# Altium PCB FlatSat.PcbDoc (part 4 of 12)
Units mil, origin at the board's own origin, x right, y up, seen from the top; angles counter-clockwise.
Board outline 4682 x 22047 mil, 4 copper layers (Top Layer, STR GND 1, STR GND 2, Bottom Layer), stack 33.434 mil thick; 381 components, 345 nets, 1605 pads, 1915 vias.
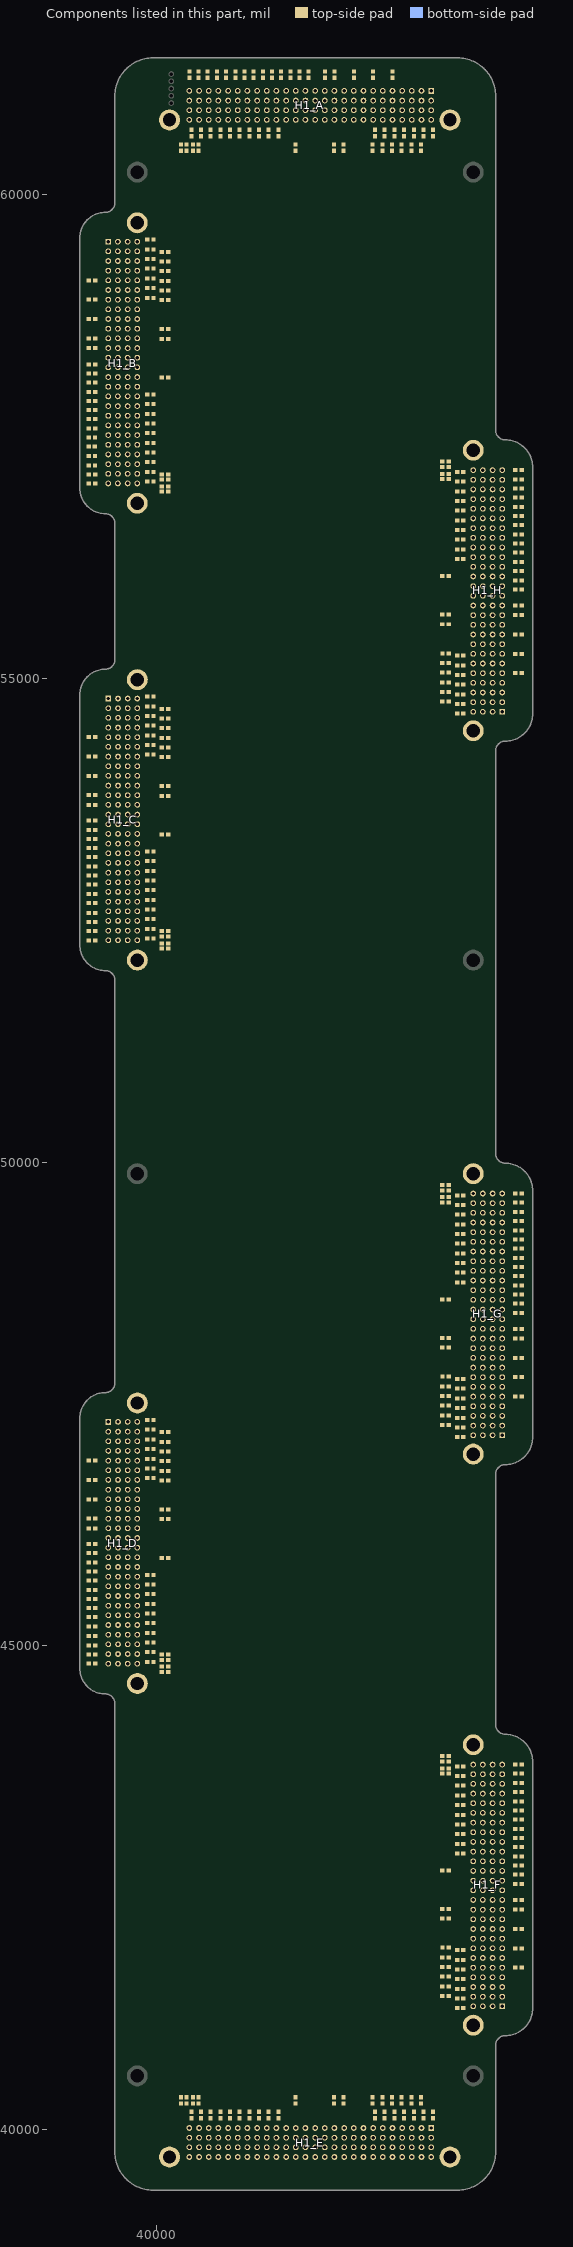
[diagram p6: the components of this part, seen from the top]

## Design rules (kind name [scope] priority, off if disabled: settings) (continued)
Width "Schematic Width Constraint_566" [InNet('GPIO_RESERVE_8')] p522: maxlimit=10 minlimit=8 preferedwidth=8
Width "Schematic Width Constraint_565" [InNet('GPIO_RESERVE_8')] p523: maxlimit=10 minlimit=8 preferedwidth=8
Width "Schematic Width Constraint_564" [InNet('GPIO_RESERVE_8')] p524: maxlimit=10 minlimit=8 preferedwidth=8
Width "Schematic Width Constraint_563" [InNet('GPIO_RESERVE_8')] p525: maxlimit=10 minlimit=8 preferedwidth=8
Width "Schematic Width Constraint_562" [InNet('GPIO_RESERVE_8')] p526: maxlimit=10 minlimit=8 preferedwidth=8
Width "Schematic Width Constraint_561" [InNet('GPIO_RESERVE_8')] p527: maxlimit=10 minlimit=8 preferedwidth=8
Width "Schematic Width Constraint_560" [InNet('GPIO_RESERVE_8')] p528: maxlimit=10 minlimit=8 preferedwidth=8
Width "Schematic Width Constraint_559" [InNet('GPIO_RESERVE_8')] p529: maxlimit=10 minlimit=8 preferedwidth=8
Width "Schematic Width Constraint_558" [InNet('GPIO_RESERVE_7')] p530: maxlimit=10 minlimit=8 preferedwidth=8
Width "Schematic Width Constraint_557" [InNet('GPIO_RESERVE_7')] p531: maxlimit=10 minlimit=8 preferedwidth=8
Width "Schematic Width Constraint_556" [InNet('GPIO_RESERVE_7')] p532: maxlimit=10 minlimit=8 preferedwidth=8
Width "Schematic Width Constraint_555" [InNet('GPIO_RESERVE_7')] p533: maxlimit=10 minlimit=8 preferedwidth=8
Width "Schematic Width Constraint_554" [InNet('GPIO_RESERVE_7')] p534: maxlimit=10 minlimit=8 preferedwidth=8
Width "Schematic Width Constraint_553" [InNet('GPIO_RESERVE_7')] p535: maxlimit=10 minlimit=8 preferedwidth=8
Width "Schematic Width Constraint_552" [InNet('GPIO_RESERVE_7')] p536: maxlimit=10 minlimit=8 preferedwidth=8
Width "Schematic Width Constraint_551" [InNet('GPIO_RESERVE_7')] p537: maxlimit=10 minlimit=8 preferedwidth=8
Width "Schematic Width Constraint_550" [InNet('GPIO_RESERVE_6')] p538: maxlimit=10 minlimit=8 preferedwidth=8
Width "Schematic Width Constraint_549" [InNet('GPIO_RESERVE_6')] p539: maxlimit=10 minlimit=8 preferedwidth=8
Width "Schematic Width Constraint_548" [InNet('GPIO_RESERVE_6')] p540: maxlimit=10 minlimit=8 preferedwidth=8
Width "Schematic Width Constraint_547" [InNet('GPIO_RESERVE_6')] p541: maxlimit=10 minlimit=8 preferedwidth=8
Width "Schematic Width Constraint_546" [InNet('GPIO_RESERVE_6')] p542: maxlimit=10 minlimit=8 preferedwidth=8
Width "Schematic Width Constraint_545" [InNet('GPIO_RESERVE_6')] p543: maxlimit=10 minlimit=8 preferedwidth=8
Width "Schematic Width Constraint_544" [InNet('GPIO_RESERVE_6')] p544: maxlimit=10 minlimit=8 preferedwidth=8
Width "Schematic Width Constraint_543" [InNet('GPIO_RESERVE_6')] p545: maxlimit=10 minlimit=8 preferedwidth=8
Width "Schematic Width Constraint_542" [InNet('GPIO_RESERVE_5')] p546: maxlimit=10 minlimit=8 preferedwidth=8
Width "Schematic Width Constraint_541" [InNet('GPIO_RESERVE_5')] p547: maxlimit=10 minlimit=8 preferedwidth=8
Width "Schematic Width Constraint_540" [InNet('GPIO_RESERVE_5')] p548: maxlimit=10 minlimit=8 preferedwidth=8
Width "Schematic Width Constraint_539" [InNet('GPIO_RESERVE_5')] p549: maxlimit=10 minlimit=8 preferedwidth=8
Width "Schematic Width Constraint_538" [InNet('GPIO_RESERVE_5')] p550: maxlimit=10 minlimit=8 preferedwidth=8
Width "Schematic Width Constraint_537" [InNet('GPIO_RESERVE_5')] p551: maxlimit=10 minlimit=8 preferedwidth=8
Width "Schematic Width Constraint_536" [InNet('GPIO_RESERVE_5')] p552: maxlimit=10 minlimit=8 preferedwidth=8
Width "Schematic Width Constraint_535" [InNet('GPIO_RESERVE_5')] p553: maxlimit=10 minlimit=8 preferedwidth=8
Width "Schematic Width Constraint_534" [InNet('GPIO_RESERVE_4')] p554: maxlimit=10 minlimit=8 preferedwidth=8
Width "Schematic Width Constraint_533" [InNet('GPIO_RESERVE_4')] p555: maxlimit=10 minlimit=8 preferedwidth=8
Width "Schematic Width Constraint_532" [InNet('GPIO_RESERVE_4')] p556: maxlimit=10 minlimit=8 preferedwidth=8
Width "Schematic Width Constraint_531" [InNet('GPIO_RESERVE_4')] p557: maxlimit=10 minlimit=8 preferedwidth=8
Width "Schematic Width Constraint_530" [InNet('GPIO_RESERVE_4')] p558: maxlimit=10 minlimit=8 preferedwidth=8
Width "Schematic Width Constraint_529" [InNet('GPIO_RESERVE_4')] p559: maxlimit=10 minlimit=8 preferedwidth=8
Width "Schematic Width Constraint_528" [InNet('GPIO_RESERVE_4')] p560: maxlimit=10 minlimit=8 preferedwidth=8
Width "Schematic Width Constraint_527" [InNet('GPIO_RESERVE_4')] p561: maxlimit=10 minlimit=8 preferedwidth=8
Width "Schematic Width Constraint_526" [InNet('GPIO_RESERVE_3')] p562: maxlimit=10 minlimit=8 preferedwidth=8
Width "Schematic Width Constraint_525" [InNet('GPIO_RESERVE_3')] p563: maxlimit=10 minlimit=8 preferedwidth=8
Width "Schematic Width Constraint_524" [InNet('GPIO_RESERVE_3')] p564: maxlimit=10 minlimit=8 preferedwidth=8
Width "Schematic Width Constraint_523" [InNet('GPIO_RESERVE_3')] p565: maxlimit=10 minlimit=8 preferedwidth=8
Width "Schematic Width Constraint_522" [InNet('GPIO_RESERVE_3')] p566: maxlimit=10 minlimit=8 preferedwidth=8
Width "Schematic Width Constraint_521" [InNet('GPIO_RESERVE_3')] p567: maxlimit=10 minlimit=8 preferedwidth=8
Width "Schematic Width Constraint_520" [InNet('GPIO_RESERVE_3')] p568: maxlimit=10 minlimit=8 preferedwidth=8
Width "Schematic Width Constraint_519" [InNet('GPIO_RESERVE_3')] p569: maxlimit=10 minlimit=8 preferedwidth=8
Width "Schematic Width Constraint_518" [InNet('GPIO_RESERVE_2')] p570: maxlimit=10 minlimit=8 preferedwidth=8
Width "Schematic Width Constraint_517" [InNet('GPIO_RESERVE_2')] p571: maxlimit=10 minlimit=8 preferedwidth=8
Width "Schematic Width Constraint_516" [InNet('GPIO_RESERVE_2')] p572: maxlimit=10 minlimit=8 preferedwidth=8
Width "Schematic Width Constraint_515" [InNet('GPIO_RESERVE_2')] p573: maxlimit=10 minlimit=8 preferedwidth=8
Width "Schematic Width Constraint_514" [InNet('GPIO_RESERVE_2')] p574: maxlimit=10 minlimit=8 preferedwidth=8
Width "Schematic Width Constraint_513" [InNet('GPIO_RESERVE_2')] p575: maxlimit=10 minlimit=8 preferedwidth=8
Width "Schematic Width Constraint_512" [InNet('GPIO_RESERVE_2')] p576: maxlimit=10 minlimit=8 preferedwidth=8
Width "Schematic Width Constraint_511" [InNet('GPIO_RESERVE_2')] p577: maxlimit=10 minlimit=8 preferedwidth=8
Width "Schematic Width Constraint_510" [InNet('GPIO_RESERVE_1')] p578: maxlimit=10 minlimit=8 preferedwidth=8
Width "Schematic Width Constraint_509" [InNet('GPIO_RESERVE_1')] p579: maxlimit=10 minlimit=8 preferedwidth=8
Width "Schematic Width Constraint_508" [InNet('GPIO_RESERVE_1')] p580: maxlimit=10 minlimit=8 preferedwidth=8
Width "Schematic Width Constraint_507" [InNet('GPIO_RESERVE_1')] p581: maxlimit=10 minlimit=8 preferedwidth=8
Width "Schematic Width Constraint_506" [InNet('GPIO_RESERVE_1')] p582: maxlimit=10 minlimit=8 preferedwidth=8
Width "Schematic Width Constraint_505" [InNet('GPIO_RESERVE_1')] p583: maxlimit=10 minlimit=8 preferedwidth=8
Width "Schematic Width Constraint_504" [InNet('GPIO_RESERVE_1')] p584: maxlimit=10 minlimit=8 preferedwidth=8
Width "Schematic Width Constraint_503" [InNet('GPIO_RESERVE_1')] p585: maxlimit=10 minlimit=8 preferedwidth=8
Width "Schematic Width Constraint_502" [InNet('GPIO_ADCS_2')] p586: maxlimit=10 minlimit=8 preferedwidth=8
Width "Schematic Width Constraint_501" [InNet('GPIO_ADCS_2')] p587: maxlimit=10 minlimit=8 preferedwidth=8
Width "Schematic Width Constraint_500" [InNet('GPIO_ADCS_2')] p588: maxlimit=10 minlimit=8 preferedwidth=8
Width "Schematic Width Constraint_499" [InNet('GPIO_ADCS_2')] p589: maxlimit=10 minlimit=8 preferedwidth=8
Width "Schematic Width Constraint_498" [InNet('GPIO_ADCS_2')] p590: maxlimit=10 minlimit=8 preferedwidth=8
Width "Schematic Width Constraint_497" [InNet('GPIO_ADCS_2')] p591: maxlimit=10 minlimit=8 preferedwidth=8
Width "Schematic Width Constraint_496" [InNet('GPIO_ADCS_2')] p592: maxlimit=10 minlimit=8 preferedwidth=8
Width "Schematic Width Constraint_495" [InNet('GPIO_ADCS_2')] p593: maxlimit=10 minlimit=8 preferedwidth=8
Width "Schematic Width Constraint_494" [InNet('GPIO_ADCS_1')] p594: maxlimit=10 minlimit=8 preferedwidth=8
Width "Schematic Width Constraint_493" [InNet('GPIO_ADCS_1')] p595: maxlimit=10 minlimit=8 preferedwidth=8
Width "Schematic Width Constraint_492" [InNet('GPIO_ADCS_1')] p596: maxlimit=10 minlimit=8 preferedwidth=8
Width "Schematic Width Constraint_491" [InNet('GPIO_ADCS_1')] p597: maxlimit=10 minlimit=8 preferedwidth=8
Width "Schematic Width Constraint_490" [InNet('GPIO_ADCS_1')] p598: maxlimit=10 minlimit=8 preferedwidth=8
Width "Schematic Width Constraint_489" [InNet('GPIO_ADCS_1')] p599: maxlimit=10 minlimit=8 preferedwidth=8
Width "Schematic Width Constraint_488" [InNet('GPIO_ADCS_1')] p600: maxlimit=10 minlimit=8 preferedwidth=8
Width "Schematic Width Constraint_487" [InNet('GPIO_ADCS_1')] p601: maxlimit=10 minlimit=8 preferedwidth=8
Width "Schematic Width Constraint_486" [InNet('GND_8')] p602: maxlimit=10 minlimit=8 preferedwidth=8
Width "Schematic Width Constraint_485" [InNet('GND_8')] p603: maxlimit=10 minlimit=8 preferedwidth=8
Width "Schematic Width Constraint_484" [InNet('GND_8')] p604: maxlimit=10 minlimit=8 preferedwidth=8
Width "Schematic Width Constraint_483" [InNet('GND_8')] p605: maxlimit=10 minlimit=8 preferedwidth=8
Width "Schematic Width Constraint_482" [InNet('GND_8')] p606: maxlimit=10 minlimit=8 preferedwidth=8
Width "Schematic Width Constraint_481" [InNet('GND_8')] p607: maxlimit=10 minlimit=8 preferedwidth=8
Width "Schematic Width Constraint_480" [InNet('GND_8')] p608: maxlimit=10 minlimit=8 preferedwidth=8
Width "Schematic Width Constraint_479" [InNet('GND_8')] p609: maxlimit=10 minlimit=8 preferedwidth=8
Width "Schematic Width Constraint_478" [InNet('GND_7')] p610: maxlimit=10 minlimit=8 preferedwidth=8
Width "Schematic Width Constraint_477" [InNet('GND_7')] p611: maxlimit=10 minlimit=8 preferedwidth=8
Width "Schematic Width Constraint_476" [InNet('GND_7')] p612: maxlimit=10 minlimit=8 preferedwidth=8
Width "Schematic Width Constraint_475" [InNet('GND_7')] p613: maxlimit=10 minlimit=8 preferedwidth=8
Width "Schematic Width Constraint_474" [InNet('GND_7')] p614: maxlimit=10 minlimit=8 preferedwidth=8
Width "Schematic Width Constraint_473" [InNet('GND_7')] p615: maxlimit=10 minlimit=8 preferedwidth=8
Width "Schematic Width Constraint_472" [InNet('GND_7')] p616: maxlimit=10 minlimit=8 preferedwidth=8
Width "Schematic Width Constraint_471" [InNet('GND_7')] p617: maxlimit=10 minlimit=8 preferedwidth=8
Width "Schematic Width Constraint_470" [InNet('GND_6')] p618: maxlimit=10 minlimit=8 preferedwidth=8
Width "Schematic Width Constraint_469" [InNet('GND_6')] p619: maxlimit=10 minlimit=8 preferedwidth=8
Width "Schematic Width Constraint_468" [InNet('GND_6')] p620: maxlimit=10 minlimit=8 preferedwidth=8
Width "Schematic Width Constraint_467" [InNet('GND_6')] p621: maxlimit=10 minlimit=8 preferedwidth=8
Width "Schematic Width Constraint_466" [InNet('GND_6')] p622: maxlimit=10 minlimit=8 preferedwidth=8
Width "Schematic Width Constraint_465" [InNet('GND_6')] p623: maxlimit=10 minlimit=8 preferedwidth=8
Width "Schematic Width Constraint_464" [InNet('GND_6')] p624: maxlimit=10 minlimit=8 preferedwidth=8
Width "Schematic Width Constraint_463" [InNet('GND_6')] p625: maxlimit=10 minlimit=8 preferedwidth=8
Width "Schematic Width Constraint_462" [InNet('GND_5')] p626: maxlimit=10 minlimit=8 preferedwidth=8
Width "Schematic Width Constraint_461" [InNet('GND_5')] p627: maxlimit=10 minlimit=8 preferedwidth=8
Width "Schematic Width Constraint_460" [InNet('GND_5')] p628: maxlimit=10 minlimit=8 preferedwidth=8
Width "Schematic Width Constraint_459" [InNet('GND_5')] p629: maxlimit=10 minlimit=8 preferedwidth=8
Width "Schematic Width Constraint_458" [InNet('GND_5')] p630: maxlimit=10 minlimit=8 preferedwidth=8
Width "Schematic Width Constraint_457" [InNet('GND_5')] p631: maxlimit=10 minlimit=8 preferedwidth=8
Width "Schematic Width Constraint_456" [InNet('GND_5')] p632: maxlimit=10 minlimit=8 preferedwidth=8
Width "Schematic Width Constraint_455" [InNet('GND_5')] p633: maxlimit=10 minlimit=8 preferedwidth=8
Width "Schematic Width Constraint_454" [InNet('GND_4')] p634: maxlimit=10 minlimit=8 preferedwidth=8
Width "Schematic Width Constraint_453" [InNet('GND_4')] p635: maxlimit=10 minlimit=8 preferedwidth=8
Width "Schematic Width Constraint_452" [InNet('GND_4')] p636: maxlimit=10 minlimit=8 preferedwidth=8
Width "Schematic Width Constraint_451" [InNet('GND_4')] p637: maxlimit=10 minlimit=8 preferedwidth=8
Width "Schematic Width Constraint_450" [InNet('GND_4')] p638: maxlimit=10 minlimit=8 preferedwidth=8
Width "Schematic Width Constraint_449" [InNet('GND_4')] p639: maxlimit=10 minlimit=8 preferedwidth=8
Width "Schematic Width Constraint_448" [InNet('GND_4')] p640: maxlimit=10 minlimit=8 preferedwidth=8
Width "Schematic Width Constraint_447" [InNet('GND_4')] p641: maxlimit=10 minlimit=8 preferedwidth=8
Width "Schematic Width Constraint_446" [InNet('GND_3')] p642: maxlimit=10 minlimit=8 preferedwidth=8
Width "Schematic Width Constraint_445" [InNet('GND_3')] p643: maxlimit=10 minlimit=8 preferedwidth=8
Width "Schematic Width Constraint_444" [InNet('GND_3')] p644: maxlimit=10 minlimit=8 preferedwidth=8
Width "Schematic Width Constraint_443" [InNet('GND_3')] p645: maxlimit=10 minlimit=8 preferedwidth=8
Width "Schematic Width Constraint_442" [InNet('GND_3')] p646: maxlimit=10 minlimit=8 preferedwidth=8
Width "Schematic Width Constraint_441" [InNet('GND_3')] p647: maxlimit=10 minlimit=8 preferedwidth=8
Width "Schematic Width Constraint_440" [InNet('GND_3')] p648: maxlimit=10 minlimit=8 preferedwidth=8
Width "Schematic Width Constraint_439" [InNet('GND_3')] p649: maxlimit=10 minlimit=8 preferedwidth=8
Width "Schematic Width Constraint_438" [InNet('GND_2')] p650: maxlimit=10 minlimit=8 preferedwidth=8
Width "Schematic Width Constraint_437" [InNet('GND_2')] p651: maxlimit=10 minlimit=8 preferedwidth=8
Width "Schematic Width Constraint_436" [InNet('GND_2')] p652: maxlimit=10 minlimit=8 preferedwidth=8
Width "Schematic Width Constraint_435" [InNet('GND_2')] p653: maxlimit=10 minlimit=8 preferedwidth=8
Width "Schematic Width Constraint_434" [InNet('GND_2')] p654: maxlimit=10 minlimit=8 preferedwidth=8
Width "Schematic Width Constraint_433" [InNet('GND_2')] p655: maxlimit=10 minlimit=8 preferedwidth=8
Width "Schematic Width Constraint_432" [InNet('GND_2')] p656: maxlimit=10 minlimit=8 preferedwidth=8
Width "Schematic Width Constraint_431" [InNet('GND_2')] p657: maxlimit=10 minlimit=8 preferedwidth=8
Width "Schematic Width Constraint_430" [InNet('GND_1')] p658: maxlimit=10 minlimit=8 preferedwidth=8
Width "Schematic Width Constraint_429" [InNet('GND_1')] p659: maxlimit=10 minlimit=8 preferedwidth=8
Width "Schematic Width Constraint_428" [InNet('GND_1')] p660: maxlimit=10 minlimit=8 preferedwidth=8
Width "Schematic Width Constraint_427" [InNet('GND_1')] p661: maxlimit=10 minlimit=8 preferedwidth=8
Width "Schematic Width Constraint_426" [InNet('GND_1')] p662: maxlimit=10 minlimit=8 preferedwidth=8
Width "Schematic Width Constraint_425" [InNet('GND_1')] p663: maxlimit=10 minlimit=8 preferedwidth=8
Width "Schematic Width Constraint_424" [InNet('GND_1')] p664: maxlimit=10 minlimit=8 preferedwidth=8
Width "Schematic Width Constraint_423" [InNet('GND_1')] p665: maxlimit=10 minlimit=8 preferedwidth=8
Width "Schematic Width Constraint_422" [InNet('COM_UHF/VHF_SS')] p666: maxlimit=10 minlimit=8 preferedwidth=8
Width "Schematic Width Constraint_421" [InNet('COM_UHF/VHF_SS')] p667: maxlimit=10 minlimit=8 preferedwidth=8
Width "Schematic Width Constraint_420" [InNet('COM_UHF/VHF_SS')] p668: maxlimit=10 minlimit=8 preferedwidth=8
Width "Schematic Width Constraint_419" [InNet('COM_UHF/VHF_SS')] p669: maxlimit=10 minlimit=8 preferedwidth=8
Width "Schematic Width Constraint_418" [InNet('COM_UHF/VHF_SS')] p670: maxlimit=10 minlimit=8 preferedwidth=8
Width "Schematic Width Constraint_417" [InNet('COM_UHF/VHF_SS')] p671: maxlimit=10 minlimit=8 preferedwidth=8
Width "Schematic Width Constraint_416" [InNet('COM_UHF/VHF_SS')] p672: maxlimit=10 minlimit=8 preferedwidth=8
Width "Schematic Width Constraint_415" [InNet('COM_UHF/VHF_SS')] p673: maxlimit=10 minlimit=8 preferedwidth=8
Width "Schematic Width Constraint_414" [InNet('COM_UHF/VHF_INT')] p674: maxlimit=10 minlimit=8 preferedwidth=8
Width "Schematic Width Constraint_413" [InNet('COM_UHF/VHF_INT')] p675: maxlimit=10 minlimit=8 preferedwidth=8
Width "Schematic Width Constraint_412" [InNet('COM_UHF/VHF_INT')] p676: maxlimit=10 minlimit=8 preferedwidth=8
Width "Schematic Width Constraint_411" [InNet('COM_UHF/VHF_INT')] p677: maxlimit=10 minlimit=8 preferedwidth=8
Width "Schematic Width Constraint_410" [InNet('COM_UHF/VHF_INT')] p678: maxlimit=10 minlimit=8 preferedwidth=8
Width "Schematic Width Constraint_409" [InNet('COM_UHF/VHF_INT')] p679: maxlimit=10 minlimit=8 preferedwidth=8
Width "Schematic Width Constraint_408" [InNet('COM_UHF/VHF_INT')] p680: maxlimit=10 minlimit=8 preferedwidth=8
Width "Schematic Width Constraint_407" [InNet('COM_UHF/VHF_INT')] p681: maxlimit=10 minlimit=8 preferedwidth=8
Width "Schematic Width Constraint_406" [InNet('COM_SBAND_SS')] p682: maxlimit=10 minlimit=8 preferedwidth=8
Width "Schematic Width Constraint_405" [InNet('COM_SBAND_SS')] p683: maxlimit=10 minlimit=8 preferedwidth=8
Width "Schematic Width Constraint_404" [InNet('COM_SBAND_SS')] p684: maxlimit=10 minlimit=8 preferedwidth=8
Width "Schematic Width Constraint_403" [InNet('COM_SBAND_SS')] p685: maxlimit=10 minlimit=8 preferedwidth=8
Width "Schematic Width Constraint_402" [InNet('COM_SBAND_SS')] p686: maxlimit=10 minlimit=8 preferedwidth=8
Width "Schematic Width Constraint_401" [InNet('COM_SBAND_SS')] p687: maxlimit=10 minlimit=8 preferedwidth=8
Width "Schematic Width Constraint_400" [InNet('COM_SBAND_SS')] p688: maxlimit=10 minlimit=8 preferedwidth=8
Width "Schematic Width Constraint_399" [InNet('COM_SBAND_SS')] p689: maxlimit=10 minlimit=8 preferedwidth=8
Width "Schematic Width Constraint_398" [InNet('COM_SBAND_INT')] p690: maxlimit=10 minlimit=8 preferedwidth=8
Width "Schematic Width Constraint_397" [InNet('COM_SBAND_INT')] p691: maxlimit=10 minlimit=8 preferedwidth=8
Width "Schematic Width Constraint_396" [InNet('COM_SBAND_INT')] p692: maxlimit=10 minlimit=8 preferedwidth=8
Width "Schematic Width Constraint_395" [InNet('COM_SBAND_INT')] p693: maxlimit=10 minlimit=8 preferedwidth=8
Width "Schematic Width Constraint_394" [InNet('COM_SBAND_INT')] p694: maxlimit=10 minlimit=8 preferedwidth=8
Width "Schematic Width Constraint_393" [InNet('UART_CDH_TX')] p695: maxlimit=10 minlimit=8 preferedwidth=8
Width "Schematic Width Constraint_392" [InNet('UART_CDH_TX')] p696: maxlimit=10 minlimit=8 preferedwidth=8
Width "Schematic Width Constraint_391" [InNet('UART_CDH_TX')] p697: maxlimit=10 minlimit=8 preferedwidth=8
Width "Schematic Width Constraint_390" [InNet('UART_CDH_TX')] p698: maxlimit=10 minlimit=8 preferedwidth=8
Width "Schematic Width Constraint_389" [InNet('UART_CDH_TX')] p699: maxlimit=10 minlimit=8 preferedwidth=8
Width "Schematic Width Constraint_388" [InNet('UART_CDH_TX')] p700: maxlimit=10 minlimit=8 preferedwidth=8
Width "Schematic Width Constraint_387" [InNet('UART_CDH_TX')] p701: maxlimit=10 minlimit=8 preferedwidth=8
Width "Schematic Width Constraint_386" [InNet('THERMAL_DQ')] p702: maxlimit=10 minlimit=8 preferedwidth=8
Width "Schematic Width Constraint_385" [InNet('UART_CDH_TX')] p703: maxlimit=10 minlimit=8 preferedwidth=8
Width "Schematic Width Constraint_384" [InNet('UART_CDH_RX')] p704: maxlimit=10 minlimit=8 preferedwidth=8
Width "Schematic Width Constraint_383" [InNet('UART_CDH_RX')] p705: maxlimit=10 minlimit=8 preferedwidth=8
Width "Schematic Width Constraint_382" [InNet('UART_CDH_RX')] p706: maxlimit=10 minlimit=8 preferedwidth=8
Width "Schematic Width Constraint_381" [InNet('UART_CDH_RX')] p707: maxlimit=10 minlimit=8 preferedwidth=8
Width "Schematic Width Constraint_380" [InNet('UART_CDH_RX')] p708: maxlimit=10 minlimit=8 preferedwidth=8
Width "Schematic Width Constraint_379" [InNet('UART_CDH_RX')] p709: maxlimit=10 minlimit=8 preferedwidth=8
Width "Schematic Width Constraint_378" [InNet('UART_CDH_RX')] p710: maxlimit=10 minlimit=8 preferedwidth=8
Width "Schematic Width Constraint_377" [InNet('UART_CDH_RX')] p711: maxlimit=10 minlimit=8 preferedwidth=8
Width "Schematic Width Constraint_376" [InNet('THERMAL_DQ')] p712: maxlimit=10 minlimit=8 preferedwidth=8
Width "Schematic Width Constraint_375" [InNet('THERMAL_DQ')] p713: maxlimit=10 minlimit=8 preferedwidth=8
Width "Schematic Width Constraint_374" [InNet('THERMAL_DQ')] p714: maxlimit=10 minlimit=8 preferedwidth=8
Width "Schematic Width Constraint_373" [InNet('THERMAL_DQ')] p715: maxlimit=10 minlimit=8 preferedwidth=8
Width "Schematic Width Constraint_372" [InNet('THERMAL_DQ')] p716: maxlimit=10 minlimit=8 preferedwidth=8
Width "Schematic Width Constraint_371" [InNet('THERMAL_DQ')] p717: maxlimit=10 minlimit=8 preferedwidth=8
Width "Schematic Width Constraint_370" [InNet('THERMAL_DQ')] p718: maxlimit=10 minlimit=8 preferedwidth=8
Width "Schematic Width Constraint_369" [InNet('SPI_CLK')] p719: maxlimit=10 minlimit=8 preferedwidth=8
Width "Schematic Width Constraint_368" [InNet('SPI_CLK')] p720: maxlimit=10 minlimit=8 preferedwidth=8
Width "Schematic Width Constraint_367" [InNet('SPI_CLK')] p721: maxlimit=10 minlimit=8 preferedwidth=8
Width "Schematic Width Constraint_366" [InNet('SPI_CLK')] p722: maxlimit=10 minlimit=8 preferedwidth=8
Width "Schematic Width Constraint_365" [InNet('SPI_CLK')] p723: maxlimit=10 minlimit=8 preferedwidth=8
Width "Schematic Width Constraint_364" [InNet('SPI_CLK')] p724: maxlimit=10 minlimit=8 preferedwidth=8
Width "Schematic Width Constraint_363" [InNet('SPI_CLK')] p725: maxlimit=10 minlimit=8 preferedwidth=8
Width "Schematic Width Constraint_362" [InNet('SPI_CLK')] p726: maxlimit=10 minlimit=8 preferedwidth=8
Width "Schematic Width Constraint_361" [InNet('RESERVED_8')] p727: maxlimit=10 minlimit=8 preferedwidth=8
Width "Schematic Width Constraint_360" [InNet('RESERVED_8')] p728: maxlimit=10 minlimit=8 preferedwidth=8
Width "Schematic Width Constraint_359" [InNet('RESERVED_8')] p729: maxlimit=10 minlimit=8 preferedwidth=8
Width "Schematic Width Constraint_358" [InNet('RESERVED_8')] p730: maxlimit=10 minlimit=8 preferedwidth=8
Width "Schematic Width Constraint_357" [InNet('RESERVED_8')] p731: maxlimit=10 minlimit=8 preferedwidth=8
Width "Schematic Width Constraint_356" [InNet('RESERVED_8')] p732: maxlimit=10 minlimit=8 preferedwidth=8
Width "Schematic Width Constraint_355" [InNet('RESERVED_8')] p733: maxlimit=10 minlimit=8 preferedwidth=8
Width "Schematic Width Constraint_354" [InNet('RESERVED_8')] p734: maxlimit=10 minlimit=8 preferedwidth=8
Width "Schematic Width Constraint_353" [InNet('RESERVED_7')] p735: maxlimit=10 minlimit=8 preferedwidth=8
Width "Schematic Width Constraint_352" [InNet('RESERVED_7')] p736: maxlimit=10 minlimit=8 preferedwidth=8
Width "Schematic Width Constraint_351" [InNet('RESERVED_7')] p737: maxlimit=10 minlimit=8 preferedwidth=8
Width "Schematic Width Constraint_350" [InNet('RESERVED_7')] p738: maxlimit=10 minlimit=8 preferedwidth=8
Width "Schematic Width Constraint_349" [InNet('RESERVED_7')] p739: maxlimit=10 minlimit=8 preferedwidth=8
Width "Schematic Width Constraint_348" [InNet('RESERVED_7')] p740: maxlimit=10 minlimit=8 preferedwidth=8
Width "Schematic Width Constraint_347" [InNet('RESERVED_7')] p741: maxlimit=10 minlimit=8 preferedwidth=8
Width "Schematic Width Constraint_346" [InNet('RESERVED_7')] p742: maxlimit=10 minlimit=8 preferedwidth=8
Width "Schematic Width Constraint_345" [InNet('RESERVED_6')] p743: maxlimit=10 minlimit=8 preferedwidth=8
Width "Schematic Width Constraint_344" [InNet('RESERVED_6')] p744: maxlimit=10 minlimit=8 preferedwidth=8
Width "Schematic Width Constraint_343" [InNet('RESERVED_6')] p745: maxlimit=10 minlimit=8 preferedwidth=8
Width "Schematic Width Constraint_342" [InNet('RESERVED_6')] p746: maxlimit=10 minlimit=8 preferedwidth=8
Width "Schematic Width Constraint_341" [InNet('RESERVED_6')] p747: maxlimit=10 minlimit=8 preferedwidth=8
Width "Schematic Width Constraint_340" [InNet('RESERVED_6')] p748: maxlimit=10 minlimit=8 preferedwidth=8
Width "Schematic Width Constraint_339" [InNet('RESERVED_6')] p749: maxlimit=10 minlimit=8 preferedwidth=8
Width "Schematic Width Constraint_338" [InNet('RESERVED_6')] p750: maxlimit=10 minlimit=8 preferedwidth=8
Width "Schematic Width Constraint_337" [InNet('RESERVED_5')] p751: maxlimit=10 minlimit=8 preferedwidth=8
Width "Schematic Width Constraint_336" [InNet('RESERVED_5')] p752: maxlimit=10 minlimit=8 preferedwidth=8
Width "Schematic Width Constraint_335" [InNet('RESERVED_5')] p753: maxlimit=10 minlimit=8 preferedwidth=8
Width "Schematic Width Constraint_334" [InNet('RESERVED_5')] p754: maxlimit=10 minlimit=8 preferedwidth=8
Width "Schematic Width Constraint_333" [InNet('RESERVED_5')] p755: maxlimit=10 minlimit=8 preferedwidth=8
Width "Schematic Width Constraint_332" [InNet('RESERVED_5')] p756: maxlimit=10 minlimit=8 preferedwidth=8
Width "Schematic Width Constraint_331" [InNet('RESERVED_5')] p757: maxlimit=10 minlimit=8 preferedwidth=8
Width "Schematic Width Constraint_330" [InNet('RESERVED_5')] p758: maxlimit=10 minlimit=8 preferedwidth=8
Width "Schematic Width Constraint_329" [InNet('RESERVED_4')] p759: maxlimit=10 minlimit=8 preferedwidth=8
Width "Schematic Width Constraint_328" [InNet('RESERVED_4')] p760: maxlimit=10 minlimit=8 preferedwidth=8
Width "Schematic Width Constraint_327" [InNet('RESERVED_4')] p761: maxlimit=10 minlimit=8 preferedwidth=8
Width "Schematic Width Constraint_326" [InNet('RESERVED_4')] p762: maxlimit=10 minlimit=8 preferedwidth=8
Width "Schematic Width Constraint_325" [InNet('RESERVED_4')] p763: maxlimit=10 minlimit=8 preferedwidth=8
Width "Schematic Width Constraint_324" [InNet('RESERVED_4')] p764: maxlimit=10 minlimit=8 preferedwidth=8
Width "Schematic Width Constraint_323" [InNet('RESERVED_4')] p765: maxlimit=10 minlimit=8 preferedwidth=8
Width "Schematic Width Constraint_322" [InNet('COM_SBAND_INT')] p766: maxlimit=10 minlimit=8 preferedwidth=8
Width "Schematic Width Constraint_321" [InNet('COM_SBAND_INT')] p767: maxlimit=10 minlimit=8 preferedwidth=8
Width "Schematic Width Constraint_320" [InNet('COM_SBAND_INT')] p768: maxlimit=10 minlimit=8 preferedwidth=8
Width "Schematic Width Constraint_319" [InNet('NetH1_H_11')] p769: maxlimit=10 minlimit=8 preferedwidth=8
Width "Schematic Width Constraint_318" [InNet('NetH1_H_10')] p770: maxlimit=10 minlimit=8 preferedwidth=8
Width "Schematic Width Constraint_317" [InNet('NetH1_H_9')] p771: maxlimit=10 minlimit=8 preferedwidth=8
Width "Schematic Width Constraint_316" [InNet('NetH1_H_8')] p772: maxlimit=10 minlimit=8 preferedwidth=8
Width "Schematic Width Constraint_315" [InNet('NetH1_H_7')] p773: maxlimit=10 minlimit=8 preferedwidth=8
Width "Schematic Width Constraint_314" [InNet('NetH1_H_6')] p774: maxlimit=10 minlimit=8 preferedwidth=8
Width "Schematic Width Constraint_313" [InNet('NetH1_H_5')] p775: maxlimit=10 minlimit=8 preferedwidth=8
Width "Schematic Width Constraint_312" [InNet('NetH1_H_4')] p776: maxlimit=10 minlimit=8 preferedwidth=8
Width "Schematic Width Constraint_311" [InNet('NetH1_H_3')] p777: maxlimit=10 minlimit=8 preferedwidth=8
Width "Schematic Width Constraint_310" [InNet('NetH1_H_1')] p778: maxlimit=10 minlimit=8 preferedwidth=8
Width "Schematic Width Constraint_309" [InNet('NetH1_G_104')] p779: maxlimit=10 minlimit=8 preferedwidth=8
Width "Schematic Width Constraint_308" [InNet('NetH1_G_103')] p780: maxlimit=10 minlimit=8 preferedwidth=8
Width "Schematic Width Constraint_307" [InNet('NetH1_G_102')] p781: maxlimit=10 minlimit=8 preferedwidth=8
Width "Schematic Width Constraint_306" [InNet('NetH1_G_101')] p782: maxlimit=10 minlimit=8 preferedwidth=8
Width "Schematic Width Constraint_305" [InNet('ADCS_SS1')] p783: maxlimit=10 minlimit=8 preferedwidth=8
Width "Schematic Width Constraint_304" [InNet('ADCS_SS1')] p784: maxlimit=10 minlimit=8 preferedwidth=8
Width "Schematic Width Constraint_303" [InNet('ADCS_SS1')] p785: maxlimit=10 minlimit=8 preferedwidth=8
Width "Schematic Width Constraint_302" [InNet('ADCS_SS1')] p786: maxlimit=10 minlimit=8 preferedwidth=8
Width "Schematic Width Constraint_301" [InNet('ADCS_SS1')] p787: maxlimit=10 minlimit=8 preferedwidth=8
Width "Schematic Width Constraint_300" [InNet('ADCS_SS1')] p788: maxlimit=10 minlimit=8 preferedwidth=8
Width "Schematic Width Constraint_299" [InNet('ADCS_SS1')] p789: maxlimit=10 minlimit=8 preferedwidth=8
Width "Schematic Width Constraint_298" [InNet('ADCS_SS1')] p790: maxlimit=10 minlimit=8 preferedwidth=8
Width "Schematic Width Constraint_297" [InNet('ADCS_SCLK')] p791: maxlimit=10 minlimit=8 preferedwidth=8
Width "Schematic Width Constraint_296" [InNet('ADCS_SCLK')] p792: maxlimit=10 minlimit=8 preferedwidth=8
Width "Schematic Width Constraint_295" [InNet('ADCS_SCLK')] p793: maxlimit=10 minlimit=8 preferedwidth=8
Width "Schematic Width Constraint_294" [InNet('ADCS_SCLK')] p794: maxlimit=10 minlimit=8 preferedwidth=8
Width "Schematic Width Constraint_293" [InNet('ADCS_SCLK')] p795: maxlimit=10 minlimit=8 preferedwidth=8
Width "Schematic Width Constraint_292" [InNet('ADCS_SCLK')] p796: maxlimit=10 minlimit=8 preferedwidth=8
Width "Schematic Width Constraint_291" [InNet('ADCS_SCLK')] p797: maxlimit=10 minlimit=8 preferedwidth=8
Width "Schematic Width Constraint_290" [InNet('ADCS_SCLK')] p798: maxlimit=10 minlimit=8 preferedwidth=8
Width "Schematic Width Constraint_289" [InNet('ADCS_PDI_DATA')] p799: maxlimit=10 minlimit=8 preferedwidth=8
Width "Schematic Width Constraint_288" [InNet('ADCS_PDI_DATA')] p800: maxlimit=10 minlimit=8 preferedwidth=8
Width "Schematic Width Constraint_287" [InNet('ADCS_PDI_DATA')] p801: maxlimit=10 minlimit=8 preferedwidth=8
Width "Schematic Width Constraint_286" [InNet('ADCS_PDI_DATA')] p802: maxlimit=10 minlimit=8 preferedwidth=8
Width "Schematic Width Constraint_285" [InNet('ADCS_PDI_DATA')] p803: maxlimit=10 minlimit=8 preferedwidth=8
Width "Schematic Width Constraint_284" [InNet('ADCS_PDI_DATA')] p804: maxlimit=10 minlimit=8 preferedwidth=8
Width "Schematic Width Constraint_283" [InNet('ADCS_PDI_DATA')] p805: maxlimit=10 minlimit=8 preferedwidth=8
Width "Schematic Width Constraint_282" [InNet('ADCS_PDI_DATA')] p806: maxlimit=10 minlimit=8 preferedwidth=8
Width "Schematic Width Constraint_281" [InNet('ADCS_PDI_CLK')] p807: maxlimit=10 minlimit=8 preferedwidth=8
Width "Schematic Width Constraint_280" [InNet('ADCS_PDI_CLK')] p808: maxlimit=10 minlimit=8 preferedwidth=8
Width "Schematic Width Constraint_279" [InNet('ADCS_PDI_CLK')] p809: maxlimit=10 minlimit=8 preferedwidth=8
Width "Schematic Width Constraint_278" [InNet('ADCS_PDI_CLK')] p810: maxlimit=10 minlimit=8 preferedwidth=8
Width "Schematic Width Constraint_277" [InNet('ADCS_PDI_CLK')] p811: maxlimit=10 minlimit=8 preferedwidth=8
Width "Schematic Width Constraint_276" [InNet('ADCS_PDI_CLK')] p812: maxlimit=10 minlimit=8 preferedwidth=8
Width "Schematic Width Constraint_275" [InNet('ADCS_PDI_CLK')] p813: maxlimit=10 minlimit=8 preferedwidth=8
Width "Schematic Width Constraint_274" [InNet('ADCS_PDI_CLK')] p814: maxlimit=10 minlimit=8 preferedwidth=8
Width "Schematic Width Constraint_273" [InNet('ADCS_MOSI')] p815: maxlimit=10 minlimit=8 preferedwidth=8
Width "Schematic Width Constraint_272" [InNet('ADCS_MOSI')] p816: maxlimit=10 minlimit=8 preferedwidth=8
Width "Schematic Width Constraint_271" [InNet('ADCS_MOSI')] p817: maxlimit=10 minlimit=8 preferedwidth=8
Width "Schematic Width Constraint_270" [InNet('ADCS_MOSI')] p818: maxlimit=10 minlimit=8 preferedwidth=8
Width "Schematic Width Constraint_269" [InNet('ADCS_MOSI')] p819: maxlimit=10 minlimit=8 preferedwidth=8
Width "Schematic Width Constraint_268" [InNet('ADCS_MOSI')] p820: maxlimit=10 minlimit=8 preferedwidth=8
Width "Schematic Width Constraint_267" [InNet('ADCS_MOSI')] p821: maxlimit=10 minlimit=8 preferedwidth=8
Width "Schematic Width Constraint_266" [InNet('ADCS_MOSI')] p822: maxlimit=10 minlimit=8 preferedwidth=8
Width "Schematic Width Constraint_265" [InNet('ADCS_MISO')] p823: maxlimit=10 minlimit=8 preferedwidth=8
Width "Schematic Width Constraint_264" [InNet('ADCS_MISO')] p824: maxlimit=10 minlimit=8 preferedwidth=8
Width "Schematic Width Constraint_263" [InNet('ADCS_MISO')] p825: maxlimit=10 minlimit=8 preferedwidth=8
Width "Schematic Width Constraint_262" [InNet('ADCS_MISO')] p826: maxlimit=10 minlimit=8 preferedwidth=8
Width "Schematic Width Constraint_261" [InNet('ADCS_MISO')] p827: maxlimit=10 minlimit=8 preferedwidth=8
Width "Schematic Width Constraint_260" [InNet('ADCS_MISO')] p828: maxlimit=10 minlimit=8 preferedwidth=8
Width "Schematic Width Constraint_259" [InNet('ADCS_MISO')] p829: maxlimit=10 minlimit=8 preferedwidth=8
Width "Schematic Width Constraint_258" [InNet('ADCS_MISO')] p830: maxlimit=10 minlimit=8 preferedwidth=8
Width "Schematic Width Constraint_257" [InNet('ADCS_CS')] p831: maxlimit=10 minlimit=8 preferedwidth=8
Width "Schematic Width Constraint_256" [InNet('ADCS_CS')] p832: maxlimit=10 minlimit=8 preferedwidth=8
Width "Schematic Width Constraint_255" [InNet('ADCS_CS')] p833: maxlimit=10 minlimit=8 preferedwidth=8
Width "Schematic Width Constraint_254" [InNet('ADCS_CS')] p834: maxlimit=10 minlimit=8 preferedwidth=8
Width "Schematic Width Constraint_253" [InNet('ADCS_CS')] p835: maxlimit=10 minlimit=8 preferedwidth=8
Width "Schematic Width Constraint_252" [InNet('ADCS_CS')] p836: maxlimit=10 minlimit=8 preferedwidth=8
Width "Schematic Width Constraint_251" [InNet('ADCS_CS')] p837: maxlimit=10 minlimit=8 preferedwidth=8
Width "Schematic Width Constraint_250" [InNet('ADCS_CS')] p838: maxlimit=10 minlimit=8 preferedwidth=8
Width "Schematic Width Constraint_249" [InNet('5V_USB_CHG')] p839: maxlimit=10 minlimit=8 preferedwidth=8
Width "Schematic Width Constraint_248" [InNet('5V_USB_CHG')] p840: maxlimit=10 minlimit=8 preferedwidth=8
Width "Schematic Width Constraint_247" [InNet('5V_USB_CHG')] p841: maxlimit=10 minlimit=8 preferedwidth=8
Width "Schematic Width Constraint_246" [InNet('5V_USB_CHG')] p842: maxlimit=10 minlimit=8 preferedwidth=8
Width "Schematic Width Constraint_245" [InNet('5V_USB_CHG')] p843: maxlimit=10 minlimit=8 preferedwidth=8
Width "Schematic Width Constraint_244" [InNet('5V_USB_CHG')] p844: maxlimit=10 minlimit=8 preferedwidth=8
Width "Schematic Width Constraint_243" [InNet('5V_USB_CHG')] p845: maxlimit=10 minlimit=8 preferedwidth=8
Width "Schematic Width Constraint_242" [InNet('5V_USB_CHG')] p846: maxlimit=10 minlimit=8 preferedwidth=8
Width "Schematic Width Constraint_241" [InNet('2SMARDSENS_B')] p847: maxlimit=10 minlimit=8 preferedwidth=8
Width "Schematic Width Constraint_240" [InNet('2SMARDSENS_B')] p848: maxlimit=10 minlimit=8 preferedwidth=8
Width "Schematic Width Constraint_239" [InNet('2SMARDSENS_B')] p849: maxlimit=10 minlimit=8 preferedwidth=8
Width "Schematic Width Constraint_238" [InNet('2SMARDSENS_B')] p850: maxlimit=10 minlimit=8 preferedwidth=8
Width "Schematic Width Constraint_237" [InNet('2SMARDSENS_B')] p851: maxlimit=10 minlimit=8 preferedwidth=8
Width "Schematic Width Constraint_236" [InNet('2SMARDSENS_B')] p852: maxlimit=10 minlimit=8 preferedwidth=8
Width "Schematic Width Constraint_235" [InNet('2SMARDSENS_B')] p853: maxlimit=10 minlimit=8 preferedwidth=8
Width "Schematic Width Constraint_234" [InNet('2SMARDSENS_B')] p854: maxlimit=10 minlimit=8 preferedwidth=8
Width "Schematic Width Constraint_233" [InNet('2SMARDSENS_A')] p855: maxlimit=10 minlimit=8 preferedwidth=8
Width "Schematic Width Constraint_232" [InNet('2SMARDSENS_A')] p856: maxlimit=10 minlimit=8 preferedwidth=8
Width "Schematic Width Constraint_231" [InNet('2SMARDSENS_A')] p857: maxlimit=10 minlimit=8 preferedwidth=8
Width "Schematic Width Constraint_230" [InNet('2SMARDSENS_A')] p858: maxlimit=10 minlimit=8 preferedwidth=8
Width "Schematic Width Constraint_229" [InNet('2SMARDSENS_A')] p859: maxlimit=10 minlimit=8 preferedwidth=8
Width "Schematic Width Constraint_228" [InNet('2SMARDSENS_A')] p860: maxlimit=10 minlimit=8 preferedwidth=8
Width "Schematic Width Constraint_227" [InNet('2SMARDSENS_A')] p861: maxlimit=10 minlimit=8 preferedwidth=8
Width "Schematic Width Constraint_226" [InNet('2SMARDSENS_A')] p862: maxlimit=10 minlimit=8 preferedwidth=8
Width "Schematic Width Constraint_225" [InNet('NetH1_H_104')] p863: maxlimit=10 minlimit=8 preferedwidth=8
Width "Schematic Width Constraint_224" [InNet('NetH1_H_103')] p864: maxlimit=10 minlimit=8 preferedwidth=8
Width "Schematic Width Constraint_223" [InNet('NetH1_H_102')] p865: maxlimit=10 minlimit=8 preferedwidth=8
Width "Schematic Width Constraint_222" [InNet('NetH1_H_101')] p866: maxlimit=10 minlimit=8 preferedwidth=8
Width "Schematic Width Constraint_221" [InNet('NetH1_H_51')] p867: maxlimit=10 minlimit=8 preferedwidth=8
Width "Schematic Width Constraint_220" [InNet('NetH1_H_49')] p868: maxlimit=10 minlimit=8 preferedwidth=8
Width "Schematic Width Constraint_219" [InNet('NetH1_H_47')] p869: maxlimit=10 minlimit=8 preferedwidth=8
Width "Schematic Width Constraint_218" [InNet('NetH1_H_45')] p870: maxlimit=10 minlimit=8 preferedwidth=8
Width "Schematic Width Constraint_217" [InNet('NetH1_H_43')] p871: maxlimit=10 minlimit=8 preferedwidth=8
Width "Schematic Width Constraint_216" [InNet('NetH1_H_41')] p872: maxlimit=10 minlimit=8 preferedwidth=8
Width "Schematic Width Constraint_215" [InNet('NetH1_H_39')] p873: maxlimit=10 minlimit=8 preferedwidth=8
Width "Schematic Width Constraint_214" [InNet('NetH1_H_37')] p874: maxlimit=10 minlimit=8 preferedwidth=8
Width "Schematic Width Constraint_213" [InNet('NetH1_H_35')] p875: maxlimit=10 minlimit=8 preferedwidth=8
Width "Schematic Width Constraint_212" [InNet('NetH1_H_33')] p876: maxlimit=10 minlimit=8 preferedwidth=8
Width "Schematic Width Constraint_211" [InNet('NetH1_H_30')] p877: maxlimit=10 minlimit=8 preferedwidth=8
Width "Schematic Width Constraint_210" [InNet('NetH1_H_22')] p878: maxlimit=10 minlimit=8 preferedwidth=8
Width "Schematic Width Constraint_209" [InNet('NetH1_H_20')] p879: maxlimit=10 minlimit=8 preferedwidth=8
Width "Schematic Width Constraint_208" [InNet('NetH1_H_14')] p880: maxlimit=10 minlimit=8 preferedwidth=8
Width "Schematic Width Constraint_207" [InNet('NetH1_H_13')] p881: maxlimit=10 minlimit=8 preferedwidth=8
Width "Schematic Width Constraint_206" [InNet('NetH1_H_12')] p882: maxlimit=10 minlimit=8 preferedwidth=8
Width "Schematic Width Constraint_205" [InNet('NetH1_G_51')] p883: maxlimit=10 minlimit=8 preferedwidth=8
Width "Schematic Width Constraint_204" [InNet('NetH1_G_49')] p884: maxlimit=10 minlimit=8 preferedwidth=8
Width "Schematic Width Constraint_203" [InNet('NetH1_G_47')] p885: maxlimit=10 minlimit=8 preferedwidth=8
Width "Schematic Width Constraint_202" [InNet('NetH1_G_45')] p886: maxlimit=10 minlimit=8 preferedwidth=8
Width "Schematic Width Constraint_201" [InNet('NetH1_G_43')] p887: maxlimit=10 minlimit=8 preferedwidth=8
Width "Schematic Width Constraint_200" [InNet('NetH1_G_41')] p888: maxlimit=10 minlimit=8 preferedwidth=8
Width "Schematic Width Constraint_199" [InNet('NetH1_G_39')] p889: maxlimit=10 minlimit=8 preferedwidth=8
Width "Schematic Width Constraint_198" [InNet('NetH1_G_37')] p890: maxlimit=10 minlimit=8 preferedwidth=8
Width "Schematic Width Constraint_197" [InNet('NetH1_G_35')] p891: maxlimit=10 minlimit=8 preferedwidth=8
Width "Schematic Width Constraint_196" [InNet('NetH1_G_33')] p892: maxlimit=10 minlimit=8 preferedwidth=8
Width "Schematic Width Constraint_195" [InNet('NetH1_G_30')] p893: maxlimit=10 minlimit=8 preferedwidth=8
Width "Schematic Width Constraint_194" [InNet('NetH1_G_22')] p894: maxlimit=10 minlimit=8 preferedwidth=8
Width "Schematic Width Constraint_193" [InNet('NetH1_G_20')] p895: maxlimit=10 minlimit=8 preferedwidth=8
Width "Schematic Width Constraint_192" [InNet('NetH1_G_14')] p896: maxlimit=10 minlimit=8 preferedwidth=8
Width "Schematic Width Constraint_191" [InNet('NetH1_G_13')] p897: maxlimit=10 minlimit=8 preferedwidth=8
Width "Schematic Width Constraint_190" [InNet('NetH1_G_12')] p898: maxlimit=10 minlimit=8 preferedwidth=8
Width "Schematic Width Constraint_189" [InNet('NetH1_G_11')] p899: maxlimit=10 minlimit=8 preferedwidth=8
Width "Schematic Width Constraint_188" [InNet('NetH1_G_10')] p900: maxlimit=10 minlimit=8 preferedwidth=8
Width "Schematic Width Constraint_187" [InNet('NetH1_G_9')] p901: maxlimit=10 minlimit=8 preferedwidth=8
Width "Schematic Width Constraint_186" [InNet('NetH1_G_8')] p902: maxlimit=10 minlimit=8 preferedwidth=8
Width "Schematic Width Constraint_185" [InNet('NetH1_G_7')] p903: maxlimit=10 minlimit=8 preferedwidth=8
Width "Schematic Width Constraint_184" [InNet('NetH1_G_6')] p904: maxlimit=10 minlimit=8 preferedwidth=8
Width "Schematic Width Constraint_183" [InNet('NetH1_G_5')] p905: maxlimit=10 minlimit=8 preferedwidth=8
Width "Schematic Width Constraint_182" [InNet('NetH1_G_4')] p906: maxlimit=10 minlimit=8 preferedwidth=8
Width "Schematic Width Constraint_181" [InNet('NetH1_G_3')] p907: maxlimit=10 minlimit=8 preferedwidth=8
Width "Schematic Width Constraint_180" [InNet('NetH1_G_1')] p908: maxlimit=10 minlimit=8 preferedwidth=8
Width "Schematic Width Constraint_179" [InNet('NetH1_F_104')] p909: maxlimit=10 minlimit=8 preferedwidth=8
Width "Schematic Width Constraint_178" [InNet('NetH1_F_103')] p910: maxlimit=10 minlimit=8 preferedwidth=8
Width "Schematic Width Constraint_177" [InNet('NetH1_F_102')] p911: maxlimit=10 minlimit=8 preferedwidth=8
Width "Schematic Width Constraint_176" [InNet('NetH1_F_101')] p912: maxlimit=10 minlimit=8 preferedwidth=8
Width "Schematic Width Constraint_175" [InNet('NetH1_F_51')] p913: maxlimit=10 minlimit=8 preferedwidth=8
Width "Schematic Width Constraint_174" [InNet('NetH1_F_49')] p914: maxlimit=10 minlimit=8 preferedwidth=8
Width "Schematic Width Constraint_173" [InNet('NetH1_F_47')] p915: maxlimit=10 minlimit=8 preferedwidth=8
Width "Schematic Width Constraint_172" [InNet('NetH1_F_45')] p916: maxlimit=10 minlimit=8 preferedwidth=8
Width "Schematic Width Constraint_171" [InNet('NetH1_F_43')] p917: maxlimit=10 minlimit=8 preferedwidth=8
Width "Schematic Width Constraint_170" [InNet('NetH1_F_41')] p918: maxlimit=10 minlimit=8 preferedwidth=8
Width "Schematic Width Constraint_169" [InNet('NetH1_F_39')] p919: maxlimit=10 minlimit=8 preferedwidth=8
Width "Schematic Width Constraint_168" [InNet('NetH1_F_37')] p920: maxlimit=10 minlimit=8 preferedwidth=8
Width "Schematic Width Constraint_167" [InNet('NetH1_F_35')] p921: maxlimit=10 minlimit=8 preferedwidth=8
Width "Schematic Width Constraint_166" [InNet('NetH1_F_33')] p922: maxlimit=10 minlimit=8 preferedwidth=8
Width "Schematic Width Constraint_165" [InNet('NetH1_F_30')] p923: maxlimit=10 minlimit=8 preferedwidth=8
Width "Schematic Width Constraint_164" [InNet('NetH1_F_22')] p924: maxlimit=10 minlimit=8 preferedwidth=8
Width "Schematic Width Constraint_163" [InNet('NetH1_F_20')] p925: maxlimit=10 minlimit=8 preferedwidth=8
Width "Schematic Width Constraint_162" [InNet('NetH1_F_14')] p926: maxlimit=10 minlimit=8 preferedwidth=8
Width "Schematic Width Constraint_161" [InNet('NetH1_F_13')] p927: maxlimit=10 minlimit=8 preferedwidth=8
Width "Schematic Width Constraint_160" [InNet('NetH1_F_12')] p928: maxlimit=10 minlimit=8 preferedwidth=8
Width "Schematic Width Constraint_159" [InNet('NetH1_F_11')] p929: maxlimit=10 minlimit=8 preferedwidth=8
Width "Schematic Width Constraint_158" [InNet('NetH1_F_10')] p930: maxlimit=10 minlimit=8 preferedwidth=8
Width "Schematic Width Constraint_157" [InNet('NetH1_F_9')] p931: maxlimit=10 minlimit=8 preferedwidth=8
Width "Schematic Width Constraint_156" [InNet('NetH1_F_8')] p932: maxlimit=10 minlimit=8 preferedwidth=8
Width "Schematic Width Constraint_155" [InNet('NetH1_F_7')] p933: maxlimit=10 minlimit=8 preferedwidth=8
Width "Schematic Width Constraint_154" [InNet('NetH1_F_6')] p934: maxlimit=10 minlimit=8 preferedwidth=8
Width "Schematic Width Constraint_153" [InNet('NetH1_F_5')] p935: maxlimit=10 minlimit=8 preferedwidth=8
Width "Schematic Width Constraint_152" [InNet('NetH1_F_4')] p936: maxlimit=10 minlimit=8 preferedwidth=8
Width "Schematic Width Constraint_151" [InNet('NetH1_F_3')] p937: maxlimit=10 minlimit=8 preferedwidth=8
Width "Schematic Width Constraint_150" [InNet('NetH1_F_1')] p938: maxlimit=10 minlimit=8 preferedwidth=8
Width "Schematic Width Constraint_149" [InNet('NetH1_E_104')] p939: maxlimit=10 minlimit=8 preferedwidth=8
Width "Schematic Width Constraint_148" [InNet('NetH1_E_103')] p940: maxlimit=10 minlimit=8 preferedwidth=8
Width "Schematic Width Constraint_147" [InNet('NetH1_E_102')] p941: maxlimit=10 minlimit=8 preferedwidth=8
Width "Schematic Width Constraint_146" [InNet('NetH1_E_101')] p942: maxlimit=10 minlimit=8 preferedwidth=8
Width "Schematic Width Constraint_145" [InNet('NetH1_E_51')] p943: maxlimit=10 minlimit=8 preferedwidth=8
Width "Schematic Width Constraint_144" [InNet('NetH1_E_49')] p944: maxlimit=10 minlimit=8 preferedwidth=8
Width "Schematic Width Constraint_143" [InNet('NetH1_E_47')] p945: maxlimit=10 minlimit=8 preferedwidth=8
Width "Schematic Width Constraint_142" [InNet('NetH1_E_45')] p946: maxlimit=10 minlimit=8 preferedwidth=8
Width "Schematic Width Constraint_141" [InNet('NetH1_E_43')] p947: maxlimit=10 minlimit=8 preferedwidth=8
Width "Schematic Width Constraint_140" [InNet('NetH1_E_41')] p948: maxlimit=10 minlimit=8 preferedwidth=8
Width "Schematic Width Constraint_139" [InNet('NetH1_E_39')] p949: maxlimit=10 minlimit=8 preferedwidth=8
Width "Schematic Width Constraint_138" [InNet('NetH1_E_37')] p950: maxlimit=10 minlimit=8 preferedwidth=8
Width "Schematic Width Constraint_137" [InNet('NetH1_E_35')] p951: maxlimit=10 minlimit=8 preferedwidth=8
Width "Schematic Width Constraint_136" [InNet('NetH1_E_33')] p952: maxlimit=10 minlimit=8 preferedwidth=8
Width "Schematic Width Constraint_135" [InNet('NetH1_E_30')] p953: maxlimit=10 minlimit=8 preferedwidth=8
Width "Schematic Width Constraint_134" [InNet('NetH1_E_22')] p954: maxlimit=10 minlimit=8 preferedwidth=8
Width "Schematic Width Constraint_133" [InNet('NetH1_E_20')] p955: maxlimit=10 minlimit=8 preferedwidth=8
Width "Schematic Width Constraint_132" [InNet('NetH1_E_14')] p956: maxlimit=10 minlimit=8 preferedwidth=8
Width "Schematic Width Constraint_131" [InNet('NetH1_E_13')] p957: maxlimit=10 minlimit=8 preferedwidth=8
Width "Schematic Width Constraint_130" [InNet('NetH1_E_12')] p958: maxlimit=10 minlimit=8 preferedwidth=8
Width "Schematic Width Constraint_129" [InNet('NetH1_E_11')] p959: maxlimit=10 minlimit=8 preferedwidth=8
Width "Schematic Width Constraint_128" [InNet('NetH1_E_10')] p960: maxlimit=10 minlimit=8 preferedwidth=8
Width "Schematic Width Constraint_127" [InNet('NetH1_E_9')] p961: maxlimit=10 minlimit=8 preferedwidth=8
Width "Schematic Width Constraint_126" [InNet('NetH1_E_8')] p962: maxlimit=10 minlimit=8 preferedwidth=8
Width "Schematic Width Constraint_125" [InNet('NetH1_E_7')] p963: maxlimit=10 minlimit=8 preferedwidth=8
Width "Schematic Width Constraint_124" [InNet('NetH1_E_6')] p964: maxlimit=10 minlimit=8 preferedwidth=8
Width "Schematic Width Constraint_123" [InNet('NetH1_E_5')] p965: maxlimit=10 minlimit=8 preferedwidth=8
Width "Schematic Width Constraint_122" [InNet('NetH1_E_4')] p966: maxlimit=10 minlimit=8 preferedwidth=8
Width "Schematic Width Constraint_121" [InNet('NetH1_E_3')] p967: maxlimit=10 minlimit=8 preferedwidth=8
Width "Schematic Width Constraint_120" [InNet('NetH1_E_1')] p968: maxlimit=10 minlimit=8 preferedwidth=8
Width "Schematic Width Constraint_119" [InNet('NetH1_D_104')] p969: maxlimit=10 minlimit=8 preferedwidth=8
Width "Schematic Width Constraint_118" [InNet('NetH1_D_103')] p970: maxlimit=10 minlimit=8 preferedwidth=8
Width "Schematic Width Constraint_117" [InNet('NetH1_D_102')] p971: maxlimit=10 minlimit=8 preferedwidth=8
Width "Schematic Width Constraint_116" [InNet('NetH1_D_101')] p972: maxlimit=10 minlimit=8 preferedwidth=8
Width "Schematic Width Constraint_115" [InNet('NetH1_D_51')] p973: maxlimit=10 minlimit=8 preferedwidth=8
Width "Schematic Width Constraint_114" [InNet('NetH1_D_49')] p974: maxlimit=10 minlimit=8 preferedwidth=8
Width "Schematic Width Constraint_113" [InNet('NetH1_D_47')] p975: maxlimit=10 minlimit=8 preferedwidth=8
Width "Schematic Width Constraint_112" [InNet('NetH1_D_45')] p976: maxlimit=10 minlimit=8 preferedwidth=8
Width "Schematic Width Constraint_111" [InNet('NetH1_D_43')] p977: maxlimit=10 minlimit=8 preferedwidth=8
Width "Schematic Width Constraint_110" [InNet('NetH1_D_41')] p978: maxlimit=10 minlimit=8 preferedwidth=8
Width "Schematic Width Constraint_109" [InNet('NetH1_D_39')] p979: maxlimit=10 minlimit=8 preferedwidth=8
Width "Schematic Width Constraint_108" [InNet('NetH1_D_37')] p980: maxlimit=10 minlimit=8 preferedwidth=8
Width "Schematic Width Constraint_107" [InNet('NetH1_D_35')] p981: maxlimit=10 minlimit=8 preferedwidth=8
Width "Schematic Width Constraint_106" [InNet('NetH1_D_33')] p982: maxlimit=10 minlimit=8 preferedwidth=8
Width "Schematic Width Constraint_105" [InNet('NetH1_D_30')] p983: maxlimit=10 minlimit=8 preferedwidth=8
Width "Schematic Width Constraint_104" [InNet('NetH1_D_22')] p984: maxlimit=10 minlimit=8 preferedwidth=8